# KiCad board noraneko42uzu.kicad_pcb
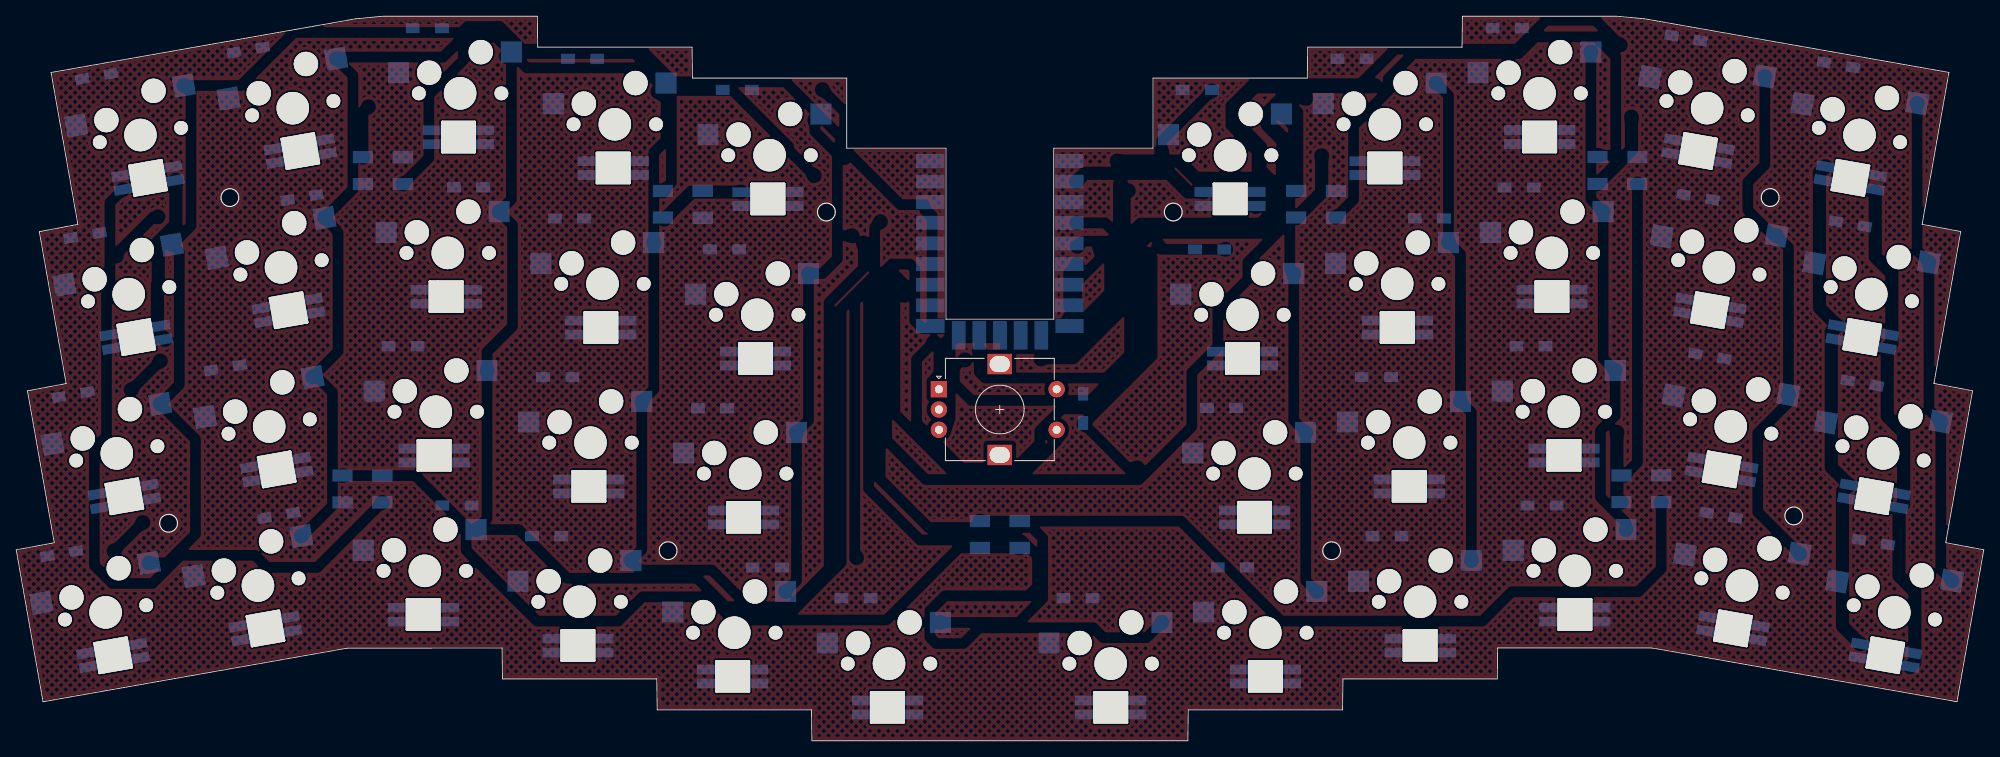
[diagram p0: board, top side]
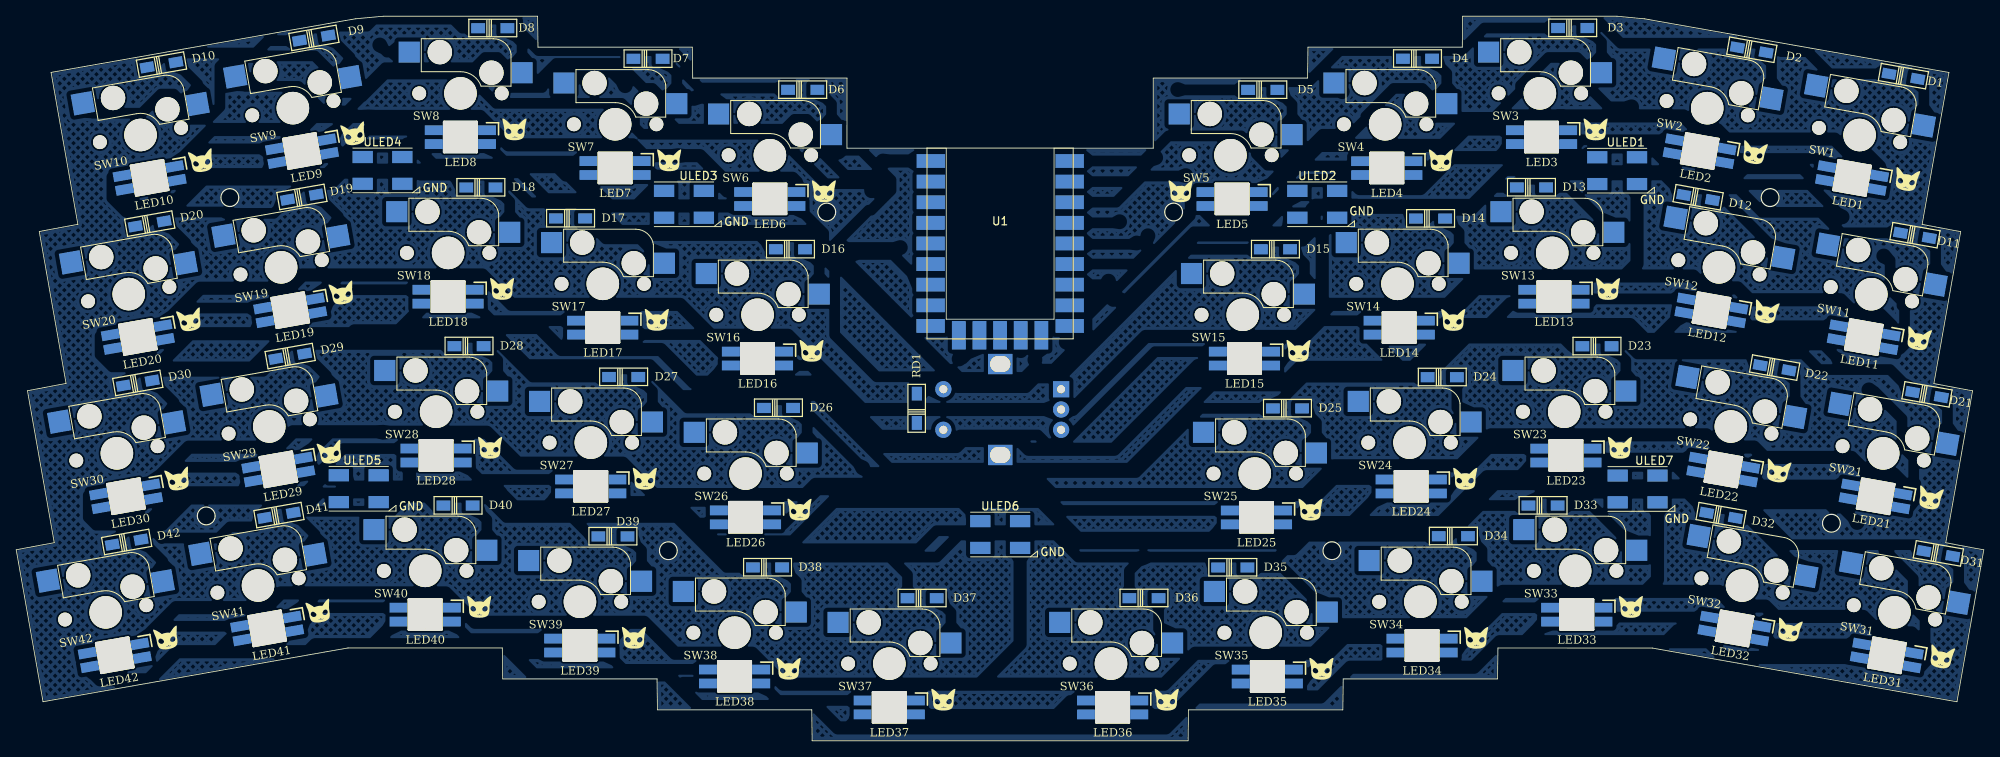
[diagram p1: board, bottom side, seen from below]

Outline 242.26 x 89.25 mm; copper layers: Top, Bottom. Coordinates in mm from the lower left corner of the outline.
Outline path: circle c18.76,26.8 r1.1 ; circle c26.31,66.91 r1.1 ; circle c80.26,23.41 r1.1 ; circle c99.75,65.13 r1.1 ; circle c142.46,65.13 r1.1 ; circle c161.97,23.41 r1.1 ; circle c215.96,66.91 r1.1 ; circle c218.87,27.7 r1.1 ; 102.26,81.63 83.26,81.63 83.21,85.44 64.21,85.44 64.16,89.25 45.16,89.25 41.76,88.93 4.29,82.32 7.59,63.61 2.84,62.71 6.14,44 1.38,43.11 4.68,24.4 0,23.52 3.3,4.81 40.77,11.42 59.82,11.43 59.87,7.62 78.87,7.62 78.92,3.81 97.92,3.81 97.97,0 144.26,0 144.31,3.81 163.31,3.81 163.36,7.62 182.36,7.62 182.41,11.43 201.41,11.43 238.96,4.81 242.26,23.52 237.58,24.4 240.88,43.11 236.12,44.01 239.42,62.72 234.67,63.61 237.97,82.32 200.5,88.93 197.07,89.25 178.07,89.25 178.02,85.44 159.02,85.44 158.97,81.63 139.97,81.63 139.97,72.99 127.75,72.99 ; 102.26,81.63 102.26,72.99 114.48,72.99
Stack: Top 0.035mm / dielectric 1.51mm FR4 er 4.5 / Bottom 0.035mm

## Placement (name value [footprint] x y rotation side)
D1  D  [1N4148W]  9.89 81.85 190 bottom
D2  D  [1N4148W]  28.56 85.1 190 bottom
D3  D  [1N4148W]  50.61 87.8 180 bottom
D4  D  [1N4148W]  69.72 84.02 180 bottom
D5  D  [1N4148W]  88.77 80.18 180 bottom
D6  D  [1N4148W]  145.42 80.18 180 bottom
D7  D  [1N4148W]  164.47 84.01 180 bottom
D8  D  [1N4148W]  183.58 87.77 180 bottom
D9  D  [1N4148W]  205.6 86.56 170 bottom
D10  D  [1N4148W]  224.37 83.27 170 bottom
D11  D  [1N4148W]  8.47 62.26 190 bottom
D12  D  [1N4148W]  35.17 66.93 190 bottom
D13  D  [1N4148W]  55.69 68.17 180 bottom
D14  D  [1N4148W]  68.11 64.33 180 bottom
D15  D  [1N4148W]  87.21 60.54 180 bottom
D16  D  [1N4148W]  146.93 60.54 180 bottom
D17  D  [1N4148W]  174 64.35 180 bottom
D18  D  [1N4148W]  185.05 68.16 180 bottom
D19  D  [1N4148W]  207.08 66.97 170 bottom
D20  D  [1N4148W]  225.82 63.68 170 bottom
D21  D  [1N4148W]  6.99 42.65 190 bottom
D22  D  [1N4148W]  25.75 45.95 190 bottom
D23  D  [1N4148W]  47.62 48.6 180 bottom
D24  D  [1N4148W]  66.67 44.79 180 bottom
D25  D  [1N4148W]  85.73 40.95 180 bottom
D26  D  [1N4148W]  148.41 41 180 bottom
D27  D  [1N4148W]  167.47 44.81 180 bottom
D28  D  [1N4148W]  186.51 48.61 180 bottom
D29  D  [1N4148W]  208.53 47.37 170 bottom
D30  D  [1N4148W]  227.29 44.06 170 bottom
D31  D  [1N4148W]  5.59 23.06 190 bottom
D32  D  [1N4148W]  32.34 27.77 190 bottom
D33  D  [1N4148W]  54.26 28.98 180 bottom
D34  D  [1N4148W]  65.3 25.2 180 bottom
D35  D  [1N4148W]  92.46 21.35 180 bottom
D36  D  [1N4148W]  103.4 17.57 180 bottom
D37  D  [1N4148W]  130.72 17.56 180 bottom
D38  D  [1N4148W]  149.75 21.36 180 bottom
D39  D  [1N4148W]  168.79 25.18 180 bottom
D40  D  [1N4148W]  187.86 28.98 180 bottom
D41  D  [1N4148W]  209.91 27.78 170 bottom
D42  D  [1N4148W]  228.66 24.47 170 bottom
LED1  -  [SK6812MINI-E]  16.21 69.33 10 bottom
LED2  -  [SK6812MINI-E]  34.98 72.64 10 bottom
LED3  -  [SK6812MINI-E]  54.45 74.36 0 bottom
LED4  -  [SK6812MINI-E]  73.5 70.55 0 bottom
LED5  -  [SK6812MINI-E]  92.55 66.74 0 bottom
LED6  -  [SK6812MINI-E]  149.47 66.75 0 bottom
LED7  -  [SK6812MINI-E]  168.52 70.56 0 bottom
LED8  -  [SK6812MINI-E]  187.57 74.37 0 bottom
LED9  -  [SK6812MINI-E]  207.08 72.65 350 bottom
LED10  -  [SK6812MINI-E]  225.84 69.34 350 bottom
LED11  -  [SK6812MINI-E]  14.77 49.72 10 bottom
LED12  -  [SK6812MINI-E]  33.53 53.03 10 bottom
LED13  -  [SK6812MINI-E]  52.93 54.71 0 bottom
LED14  -  [SK6812MINI-E]  71.98 50.9 0 bottom
LED15  -  [SK6812MINI-E]  91.03 47.09 0 bottom
LED16  -  [SK6812MINI-E]  150.99 47.1 0 bottom
LED17  -  [SK6812MINI-E]  170.04 50.91 0 bottom
LED18  -  [SK6812MINI-E]  189.09 54.72 0 bottom
LED19  -  [SK6812MINI-E]  208.52 53.04 350 bottom
LED20  -  [SK6812MINI-E]  227.29 49.74 350 bottom
LED21  -  [SK6812MINI-E]  13.31 30.11 10 bottom
LED22  -  [SK6812MINI-E]  32.07 33.42 10 bottom
LED23  -  [SK6812MINI-E]  51.45 35.15 0 bottom
LED24  -  [SK6812MINI-E]  70.5 31.34 0 bottom
LED25  -  [SK6812MINI-E]  89.55 27.53 0 bottom
LED26  -  [SK6812MINI-E]  152.47 27.53 0 bottom
LED27  -  [SK6812MINI-E]  171.52 31.34 0 bottom
LED28  -  [SK6812MINI-E]  190.57 35.15 0 bottom
LED29  -  [SK6812MINI-E]  209.98 33.43 350 bottom
LED30  -  [SK6812MINI-E]  228.75 30.12 350 bottom
LED31  -  [SK6812MINI-E]  11.93 10.53 10 bottom
LED32  -  [SK6812MINI-E]  30.69 13.83 10 bottom
LED33  -  [SK6812MINI-E]  50.11 15.55 0 bottom
LED34  -  [SK6812MINI-E]  69.16 11.74 0 bottom
LED35  -  [SK6812MINI-E]  88.21 7.93 0 bottom
LED36  -  [SK6812MINI-E]  107.26 4.12 0 bottom
LED37  -  [SK6812MINI-E]  134.76 4.12 0 bottom
LED38  -  [SK6812MINI-E]  153.81 7.93 0 bottom
LED39  -  [SK6812MINI-E]  172.86 11.74 0 bottom
LED40  -  [SK6812MINI-E]  191.91 15.55 0 bottom
LED41  -  [SK6812MINI-E]  211.37 13.84 350 bottom
LED42  -  [SK6812MINI-E]  230.13 10.54 350 bottom
RD1  D  [1N4148W]  131.36 40.96 90 bottom
RE1  RotaryEncoder_Switch  [RotaryEncoder_Alps_EC12E-Switch_Vertical_H20mm]  113.6 43.31 0 top
SW1  SW_Push  [MX_Socket]  15.29 74.62 10 top
SW2  SW_Push  [MX_Socket]  34.05 77.92 10 top
SW3  SW_Push  [MX_Socket]  54.65 79.75 0 top
SW4  SW_Push  [MX_Socket]  73.7 75.94 0 top
SW5  SW_Push  [MX_Socket]  92.75 72.13 0 top
SW6  SW_Push  [MX_Socket]  149.46 72.13 0 top
SW7  SW_Push  [MX_Socket]  168.51 75.94 0 top
SW8  SW_Push  [MX_Socket]  187.56 79.75 0 top
SW9  SW_Push  [MX_Socket]  208.2 77.93 350 top
SW10  SW_Push  [MX_Socket]  226.96 74.62 350 top
SW11  SW_Push  [MX_Socket]  13.84 55.01 10 top
SW12  SW_Push  [MX_Socket]  32.6 58.32 10 top
SW13  SW_Push  [MX_Socket]  53.13 60.1 0 top
SW14  SW_Push  [MX_Socket]  72.18 56.29 0 top
SW15  SW_Push  [MX_Socket]  91.23 52.48 0 top
SW16  SW_Push  [MX_Socket]  150.98 52.48 0 top
SW17  SW_Push  [MX_Socket]  170.03 56.29 0 top
SW18  SW_Push  [MX_Socket]  189.08 60.1 0 top
SW19  SW_Push  [MX_Socket]  209.64 58.32 350 top
SW20  SW_Push  [MX_Socket]  228.41 55.02 350 top
SW21  SW_Push  [MX_Socket]  12.38 35.4 10 top
SW22  SW_Push  [MX_Socket]  31.14 38.71 10 top
SW23  SW_Push  [MX_Socket]  51.66 40.53 0 top
SW24  SW_Push  [MX_Socket]  70.71 36.72 0 top
SW25  SW_Push  [MX_Socket]  89.76 32.91 0 top
SW26  SW_Push  [MX_Socket]  152.46 32.91 0 top
SW27  SW_Push  [MX_Socket]  171.51 36.72 0 top
SW28  SW_Push  [MX_Socket]  190.56 40.53 0 top
SW29  SW_Push  [MX_Socket]  211.11 38.71 350 top
SW30  SW_Push  [MX_Socket]  229.87 35.4 350 top
SW31  SW_Push  [MX_Socket]  11 15.81 10 top
SW32  SW_Push  [MX_Socket]  29.76 19.12 10 top
SW33  SW_Push  [MX_Socket]  50.31 20.93 0 top
SW34  SW_Push  [MX_Socket]  69.36 17.12 0 top
SW35  SW_Push  [MX_Socket]  88.41 13.31 0 top
SW36  SW_Push  [MX_Socket]  107.46 9.5 0 top
SW37  SW_Push  [MX_Socket]  134.75 9.5 0 top
SW38  SW_Push  [MX_Socket]  153.8 13.31 0 top
SW39  SW_Push  [MX_Socket]  172.85 17.12 0 top
SW40  SW_Push  [MX_Socket]  191.9 20.93 0 top
SW41  SW_Push  [MX_Socket]  212.49 19.13 350 top
SW42  SW_Push  [MX_Socket]  231.25 15.82 350 top
U1  RP2040-Zero  [RP2040-Zero-SMD]  121.12 62.01 180 bottom
ULED1  WS2812B  [WS2812B_PLCC4_5.0x5.0mm]  45.14 70.23 180 bottom
ULED2  WS2812B  [WS2812B_PLCC4_5.0x5.0mm]  82.07 66.09 180 bottom
ULED3  WS2812B  [WS2812B_PLCC4_5.0x5.0mm]  160.04 66.09 180 bottom
ULED4  WS2812B  [WS2812B_PLCC4_5.0x5.0mm]  197.16 70.26 180 bottom
ULED5  WS2812B  [WS2812B_PLCC4_5.0x5.0mm]  200.09 31.05 180 bottom
ULED6  WS2812B  [WS2812B_PLCC4_5.0x5.0mm]  121.1 25.41 180 bottom
ULED7  WS2812B  [WS2812B_PLCC4_5.0x5.0mm]  42.62 31.02 180 bottom

## Library data of the parts
D1-D42 RD1 = -: LCSC: C81598; Sim.Pins: 1=K 2=A; ki_fp_filters: TO-???* *_Diode_* *SingleDiode* D_*
RE1 = -: ki_fp_filters: RotaryEncoder*Switch*
ULED1-ULED7 = -: LCSC: C2843785; Field5: 1

## Footprints (pads in the part's own frame, mm; a bottom-side part is the same pattern mirrored in y, then rotated)
1N4148W
  rect 1.7x1.25 smd: 1(-1.8,0) 2(1.8,0)
MX_Socket
  round 1.7 hole 1.7 unplated: (-5.081,-0.001) (5.079,-0.001)
  round 3 hole 3 unplated: (-3.811,2.539) (2.539,5.079)
  round 4 hole 4 unplated: (0,0)
  rect 2.6x2.6 smd far side: 1(6.314,5.079) 2(-7.586,2.539)
RotaryEncoder_Alps_EC12E-Switch_Vertical_H20mm
  rect 2x2 hole 1: A(0,0)
  round 2 hole 1: B(0,-5) C(0,-2.5) S1(14.5,0) S2(14.5,-5)
  rect 3x2.5 hole 2.5x2: MP(7.5,3.1) MP(7.5,-8.1)
RP2040-Zero-SMD
  rect 3.5x1.7 smd: 0(9.47,9.41) 1(9.47,6.87) 2(9.47,4.33) 3(9.47,1.79) 4(9.47,-0.75) 5(9.47,-3.29) 6(9.47,-5.83) 7(9.47,-8.37) 8(9.47,-10.91) 14(-9.46,-10.91) 15(-9.46,-8.37) 26(-9.46,-5.83) 27(-9.46,-3.29) 28(-9.46,-0.75) 29(-9.46,1.79) 30(-9.43,4.33) 31(-9.43,6.87) 32(-9.43,9.41)
  rect 1.7x3.5 smd: 9(5.08,-12.96) 10(2.54,-12.96) 11(0,-12.96) 12(-2.54,-12.96) 13(-5.08,-12.96)
SK6812MINI-E
  oval 0.3x4 hole 0.3x4 unplated: (-2,0) (2,0)
  oval 1x3.8 hole 1x3.8 unplated: (-1.47,0) (-1,-0.05) (-0.43,-0.01) (0.3,-0.02) (0.93,-0.02) (1.5,0.02)
  oval 4.3x0.3 hole 4.3x0.3 unplated: (0,-1.86) (0,1.85)
  rect 2.2x1.2 smd: 1(3.28,0.87) 2(3.28,-0.843) 3(-3.28,-0.843) 4(-3.28,0.87)
WS2812B_PLCC4_5.0x5.0mm
  rect 2.5x1.5 smd: 1(-2.45,1.65) 2(-2.45,-1.65) 3(2.45,-1.65) 4(2.45,1.65)

## Nets
+5V: LED1.1 LED2.1 LED3.1 LED4.1 LED5.1 LED6.1 LED7.1 LED8.1 LED9.1 LED10.1 LED11.1 LED12.1 LED13.1 LED14.1 LED15.1 LED16.1 LED17.1 LED18.1 LED19.1 LED20.1 LED21.1 LED22.1 LED23.1 LED24.1 LED25.1 LED26.1 LED27.1 LED28.1 LED29.1 LED30.1 LED31.1 LED32.1 LED33.1 LED34.1 LED35.1 LED36.1 LED37.1 LED38.1 LED39.1 LED40.1 LED41.1 LED42.1 U1.32 ULED1.1 ULED2.1 ULED3.1 ULED4.1 ULED5.1 ULED6.1 ULED7.1
GND: LED1.3 LED2.3 LED3.3 LED4.3 LED5.3 LED6.3 LED7.3 LED8.3 LED9.3 LED10.3 LED11.3 LED12.3 LED13.3 LED14.3 LED15.3 LED16.3 LED17.3 LED18.3 LED19.3 LED20.3 LED21.3 LED22.3 LED23.3 LED24.3 LED25.3 LED26.3 LED27.3 LED28.3 LED29.3 LED30.3 LED31.3 LED32.3 LED33.3 LED34.3 LED35.3 LED36.3 LED37.3 LED38.3 LED39.3 LED40.3 LED41.3 LED42.3 RE1.C U1.31 ULED1.3 ULED2.3 ULED3.3 ULED4.3 ULED5.3 ULED6.3 ULED7.3
COL0: SW1.1 SW11.1 SW21.1 SW31.1 U1.1
COL1: SW2.1 SW12.1 SW22.1 SW32.1 U1.2
COL2: SW3.1 SW13.1 SW23.1 SW33.1 U1.3
COL3: SW4.1 SW14.1 SW24.1 SW34.1 U1.4
COL4: SW5.1 SW15.1 SW25.1 SW35.1 U1.5
COL5: RE1.S2 SW36.1 U1.6
COL6: SW37.1 U1.7
COL7: SW6.1 SW16.1 SW26.1 SW38.1 U1.8
COL8: SW7.1 SW17.1 SW27.1 SW39.1 U1.9
COL9: SW8.1 SW18.1 SW28.1 SW40.1 U1.10
COL10: SW9.1 SW19.1 SW29.1 SW41.1 U1.11
COL11: SW10.1 SW20.1 SW30.1 SW42.1 U1.12
LED3.3V: U1.0 ULED1.4
PadA: RE1.A U1.28
PadB: RE1.B U1.29
ROW0: D1.1 D2.1 D3.1 D4.1 D5.1 D6.1 D7.1 D8.1 D9.1 D10.1 U1.14
ROW1: D11.1 D12.1 D13.1 D14.1 D15.1 D16.1 D17.1 D18.1 D19.1 D20.1 U1.15
ROW2: D21.1 D22.1 D23.1 D24.1 D25.1 D26.1 D27.1 D28.1 D29.1 D30.1 RD1.1 U1.26
ROW3: D31.1 D32.1 D33.1 D34.1 D35.1 D36.1 D37.1 D38.1 D39.1 D40.1 D41.1 D42.1 U1.27
Net-(D1-A): D1.2 SW1.2
Net-(D2-A): D2.2 SW2.2
Net-(D3-A): D3.2 SW3.2
Net-(D4-A): D4.2 SW4.2
Net-(D5-A): D5.2 SW5.2
Net-(D6-A): D6.2 SW6.2
Net-(D7-A): D7.2 SW7.2
Net-(D8-A): D8.2 SW8.2
Net-(D9-A): D9.2 SW9.2
Net-(D10-A): D10.2 SW10.2
Net-(D11-A): D11.2 SW11.2
Net-(D12-A): D12.2 SW12.2
Net-(D13-A): D13.2 SW13.2
Net-(D14-A): D14.2 SW14.2
Net-(D15-A): D15.2 SW15.2
Net-(D16-A): D16.2 SW16.2
Net-(D17-A): D17.2 SW17.2
Net-(D18-A): D18.2 SW18.2
Net-(D19-A): D19.2 SW19.2
Net-(D20-A): D20.2 SW20.2
Net-(D21-A): D21.2 SW21.2
Net-(D22-A): D22.2 SW22.2
Net-(D23-A): D23.2 SW23.2
Net-(D24-A): D24.2 SW24.2
Net-(D25-A): D25.2 SW25.2
Net-(D26-A): D26.2 SW26.2
Net-(D27-A): D27.2 SW27.2
Net-(D28-A): D28.2 SW28.2
Net-(D29-A): D29.2 SW29.2
Net-(D30-A): D30.2 SW30.2
Net-(D31-A): D31.2 SW31.2
Net-(D32-A): D32.2 SW32.2
Net-(D33-A): D33.2 SW33.2
Net-(D34-A): D34.2 SW34.2
Net-(D35-A): D35.2 SW35.2
Net-(D36-A): D36.2 SW36.2
Net-(D37-A): D37.2 SW37.2
Net-(D38-A): D38.2 SW38.2
Net-(D39-A): D39.2 SW39.2
Net-(D40-A): D40.2 SW40.2
Net-(D41-A): D41.2 SW41.2
Net-(D42-A): D42.2 SW42.2
Net-(LED1-DIN): LED1.4 ULED7.2
Net-(LED1-DOUT): LED1.2 LED2.4
Net-(LED2-DOUT): LED2.2 LED3.4
Net-(LED3-DOUT): LED3.2 LED4.4
Net-(LED4-DOUT): LED4.2 LED5.4
Net-(LED5-DOUT): LED5.2 LED6.4
Net-(LED6-DOUT): LED6.2 LED7.4
Net-(LED7-DOUT): LED7.2 LED8.4
Net-(LED8-DOUT): LED8.2 LED9.4
Net-(LED10-DIN): LED9.2 LED10.4
Net-(LED10-DOUT): LED10.2 LED11.4
Net-(LED11-DOUT): LED11.2 LED12.4
Net-(LED12-DOUT): LED12.2 LED13.4
Net-(LED13-DOUT): LED13.2 LED14.4
Net-(LED14-DOUT): LED14.2 LED15.4
Net-(LED15-DOUT): LED15.2 LED16.4
Net-(LED16-DOUT): LED16.2 LED17.4
Net-(LED17-DOUT): LED17.2 LED18.4
Net-(LED18-DOUT): LED18.2 LED19.4
Net-(LED19-DOUT): LED19.2 LED20.4
Net-(LED20-DOUT): LED20.2 LED21.4
Net-(LED21-DOUT): LED21.2 LED22.4
Net-(LED22-DOUT): LED22.2 LED23.4
Net-(LED23-DOUT): LED23.2 LED24.4
Net-(LED24-DOUT): LED24.2 LED25.4
Net-(LED25-DOUT): LED25.2 LED26.4
Net-(LED26-DOUT): LED26.2 LED27.4
Net-(LED27-DOUT): LED27.2 LED28.4
Net-(LED28-DOUT): LED28.2 LED29.4
Net-(LED29-DOUT): LED29.2 LED30.4
Net-(LED30-DOUT): LED30.2 LED31.4
Net-(LED31-DOUT): LED31.2 LED32.4
Net-(LED32-DOUT): LED32.2 LED33.4
Net-(LED33-DOUT): LED33.2 LED34.4
Net-(LED34-DOUT): LED34.2 LED35.4
Net-(LED35-DOUT): LED35.2 LED36.4
Net-(LED36-DOUT): LED36.2 LED37.4
Net-(LED37-DOUT): LED37.2 LED38.4
Net-(LED38-DOUT): LED38.2 LED39.4
Net-(LED39-DOUT): LED39.2 LED40.4
Net-(LED40-DOUT): LED40.2 LED41.4
Net-(LED41-DOUT): LED41.2 LED42.4
Net-(RD1-A): RD1.2 RE1.S1
Net-(ULED1-DOUT): ULED1.2 ULED2.4
Net-(ULED2-DOUT): ULED2.2 ULED3.4
Net-(ULED3-DOUT): ULED3.2 ULED4.4
Net-(ULED4-DOUT): ULED4.2 ULED5.4
Net-(ULED5-DOUT): ULED5.2 ULED6.4
Net-(ULED6-DOUT): ULED6.2 ULED7.4

Pads without a net: LED42 2; RE1 MP; U1 13 30

## Copper pours and planes (outline as drawn; the poured copper is in the pictures)
(no net) on Top, Bottom: 248.34,88.57 247.94,-4.76 -8.18,-12.43 -4.21,93.54 247.72,92.42
